# Altium PCB oysm_Keyboard.PcbDoc (part 1 of 2) (continued)
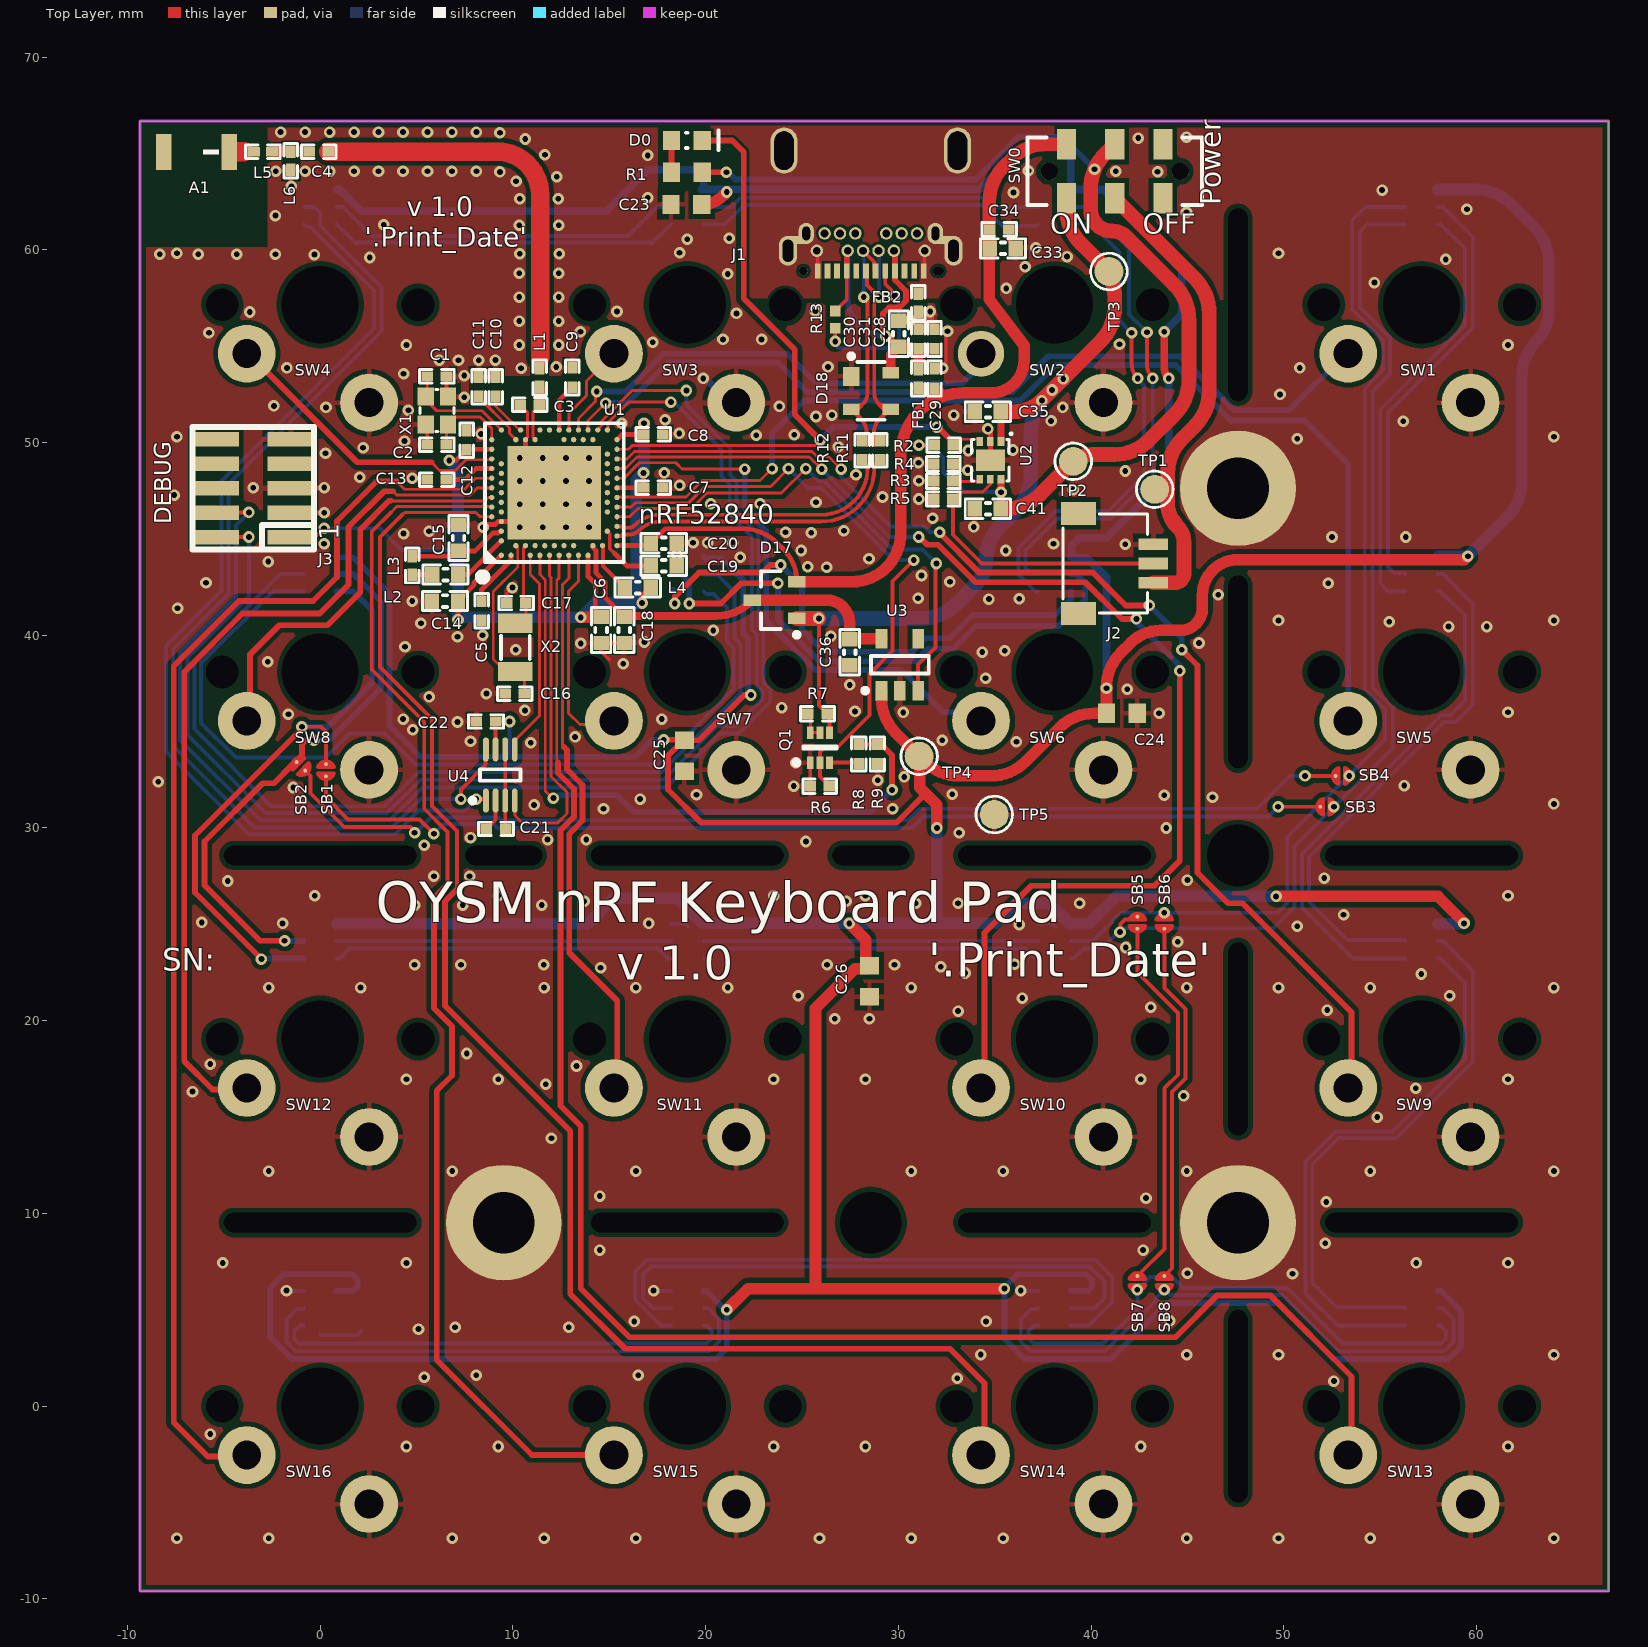
[diagram p0: Top Layer view]
## Footprints (in the part's own frame and the unit in brackets; to place one, negate y for a bottom-side part, rotate by r counter-clockwise, add the part's x,y. Pads: shape width x height; smd on the part's side, far side on the other; paste and mask are expansions set on the pad)
2450AT18B100 [mm] "2450MHz Antenna"
  rect 0.8x1.85 smd: 1(-1.7,0) 2(1.7,0)
  Multi-Layer pour cut-out: -3.71,-4.94 -3.71,4.93 6.09,4.93 6.09,-4.94
  silkscreen extent -1.18,-0.14 -0.34,0.13, body extent -1.7,-0.9 1.7,0.9, height 1.4
APA_RGB_LED_2020 [mm]
  rect 0.8x0.5 smd: 1(-0.85,0.9)
  rrect50% 0.8x0.3 smd: 2(-0.85,0) 5(0.85,0)
  rrect50% 0.8x0.5 smd: 3(-0.85,-0.9) 4(0.85,-0.9) 6(0.85,0.9)
  body extent -1,-1 1,1, height 0.9
AQFN50P700X700X85_HS-74N [mm] "AQFN, 73-Leads, Body 7.00x7.00mm, Pitch 0.50mm, Thermal Pad 4.95x4.95mm, IPC Medium Density"
  rect 4.85x4.85 smd mask+0.05: 74(0,0)
  round 0.275 smd paste+0.012 mask+0.05: A8(-1.25,3.25) A10(-0.75,3.25) A12(-0.25,3.25) A14(0.25,3.25) A16(0.75,3.25) A18(1.25,3.25) A20(1.75,3.25) A22(2.25,3.25) A23(2.75,3.25) AA24(3.25,-2.25) AB2(-2.75,-2.5) AC5(-2,-2.75) AC9(-1,-2.75) AC11(-0.5,-2.75) AC13(0,-2.75) AC15(0.5,-2.75) AC17(1,-2.75) AC19(1.5,-2.75) AC21(2,-2.75) AC24(3.25,-2.75) AD2(-2.75,-3.25) AD4(-2.25,-3.25) AD6(-1.75,-3.25) AD8(-1.25,-3.25) AD10(-0.75,-3.25) AD12(-0.25,-3.25) AD14(0.25,-3.25) AD16(0.75,-3.25) AD18(1.25,-3.25) AD20(1.75,-3.25) AD22(2.25,-3.25) AD23(2.75,-3.25) B1(-3.25,2.75) B3(-2.5,2.75) B5(-2,2.75) B7(-1.5,2.75) B9(-1,2.75) B11(-0.5,2.75) B13(0,2.75) B15(0.5,2.75) B17(1,2.75) B19(1.5,2.75) B24(3.25,2.75) C1(-3.25,2.25) D2(-2.75,2) D23(2.75,2) E24(3.25,1.75) F2(-2.75,1.5) F23(2.75,1.5) G1(-3.25,1.25) H2(-2.75,1) H23(2.75,1) J1(-3.25,0.75) J24(3.25,0.75) K2(-2.75,0.5) L1(-3.25,0.25) L24(3.25,0.25) M2(-2.75,0) N1(-3.25,-0.25) N24(3.25,-0.25) P2(-2.75,-0.5) P23(2.75,-0.5) R1(-3.25,-0.75) R24(3.25,-0.75) T2(-2.75,-1) T23(2.75,-1) U1(-3.25,-1.25) U24(3.25,-1.25) V23(2.75,-1.5) W1(-3.25,-1.75) W24(3.25,-1.75) Y2(-2.75,-2) Y23(2.75,-2)
  silkscreen extent -4.57,-3.6 3.6,3.92, body extent -3.55,-3.55 3.55,3.55, height 0.85
BT-XTAL_2016 [mm] "Crystal 2.0 x 1.6 mm"
  rect 0.95x0.85 smd: 1(-0.725,-0.575) 2(0.725,-0.575) 3(0.725,0.575) 4(-0.725,0.575)
  silkscreen extent -1.08,-0.88 1.08,0.88, body extent -1.05,-0.85 1.05,0.85, height 0.56
CAPC0603(1608)55_N [mm] "Chip Capacitor, Body 1.6x0.8mm, Height 0.55mm, IPC Medium Density"
  rect 0.9x1 smd: 1(-0.8,0) 2(0.8,0)
  body extent -0.87,-0.48 0.88,0.47, height 0.55
CAPC1005X04L [mm] "Chip Capacitor, 2-Leads, Body 1.0x0.5mm, IPC High Density"
  rect 0.6x0.5 smd: 1(-0.5,0) 2(0.5,0)
  silkscreen extent -0.9,-0.35 0.9,0.35, body extent -0.51,-0.25 0.51,0.25, height 0.5
CAPC1608X06L [mm] "Chip Capacitor, 2-Leads, Body 1.6x0.8mm, IPC High Density"
  rect 0.75x0.8 smd: 1(-0.675,0) 2(0.675,0)
  silkscreen extent -1.17,-0.5 1.17,0.5, body extent -0.8,-0.43 0.8,0.43, height 0.8
HDR_2x5-SMD-1.27mm-K [mm] "SMT MICRO HEADER, (1,27) .050\" Keying Shroud"
  rect 0.76x2.4 smd: 1(-2.54,-1.95) 2(-2.54,1.95) 3(-1.27,-1.95) 4(-1.27,1.95) 5(0,-1.95) 6(0,1.95) 7(1.27,-1.95) 8(1.27,1.95) 9(2.54,-1.95) 10(2.54,1.95)
  silkscreen extent -3.18,-3.15 3.18,3.15, body extent -3.14,-2.92 3.14,2.92, height 6.11
I_LEDC0603(1608)_N [mm] "Chip Resistor, Body 1.6x0.8mm, IPC Medium Density"
  rect 0.9x1 smd: 1(-0.8,0) 2(0.8,0)
  silkscreen extent -0.05,-0.51 1.65,0.51, body extent -0.85,-0.45 0.85,0.45, height 0.9
INDC1005X04L [mm] "Chip Inductor, 2-Leads, Body 1.0x0.5mm, IPC High Density"
  rect 0.65x0.5 smd: 1(-0.475,0) 2(0.475,0)
  silkscreen extent -0.9,-0.35 0.9,0.35, body extent -0.5,-0.3 0.5,0.3, height 0.5
INDC1608X06L [mm] "Chip Inductor, 2-Leads, Body 1.6x0.8mm, IPC High Density"
  rect 0.75x0.8 smd: 1(-0.675,0) 2(0.675,0)
  silkscreen extent -1.17,-0.5 1.17,0.5, body extent -0.8,-0.48 0.8,0.47, height 0.8
Kailh_Mechanical_Key#1 [mm]
  round 3 hole 1.5: 1(-3.81,2.54) 2(2.54,5.08)
  round 0 hole 1.7 unplated: 9(-5.08,0) 9(5.08,0)
  round 0 hole 4 unplated: 9(0,0)
  body extent -7.8,-7.8 7.8,7.8, height 15.4
Kailh_Mechanical_Key#2 [mm]
  round 2.4 hole 1.5: 1(-3.81,2.54)
  round 3 hole 1.5: 2(2.54,5.08)
  round 0 hole 1.7 unplated: 9(-5.08,0) 9(5.08,0)
  round 0 hole 4 unplated: 9(0,0)
  body extent -7.8,-7.8 7.8,7.8, height 15.4
RESC0402(1005)_L [mm] "Chip Resistor, 2-Leads, Body 1,00x0,50mm, IPC Medium Density"
  rect 0.55x0.55 smd: 1(-0.45,0) 2(0.45,0)
  body extent -0.53,-0.27 0.53,0.28, height 0.37
RESC0603(1608)_N [mm] "Chip Resistor, Body 1.6x0.8mm, IPC Medium Density"
  rect 0.9x1 smd: 1(-0.8,0) 2(0.8,0)
  body extent -0.85,-0.47 0.85,0.47, height 0.6
RESC1005X04L [mm] "Chip Resistor, 2-Leads, Body 1.0x0.5mm, IPC High Density"
  rect 0.6x0.55 smd: 1(-0.5,0) 2(0.5,0)
  silkscreen extent -0.87,-0.38 0.88,0.38, body extent -0.5,-0.25 0.5,0.25, height 0.3
SM03B-SRSS-TB [mm] "JST, SH connector, side entry SMD, 1mm pitch"
  rect 1.2x1.8 smd: 0(-2.6,-3.875) 0(2.6,-3.875)
  rect 0.6x1.55 smd: 1(-1,0) 2(0,0) 3(1,0)
  silkscreen extent -2.57,-4.68 2.58,-0.3, body extent -2.5,-4.61 2.5,0.34, height 2.95
Solderbridge#1 [mm]
  round 0.2 smd paste-10: 1(-0.312,0) 2(0.312,0)
  Top Layer region: 0.077,0.432 0.152,0.505 0.271,0.467 0.335,0.424 0.409,0.351 0.462,0.292 0.521,0.193 0.549,0.099 0.544,-0.122 0.518,-0.193 0.434,-0.33 0.351,-0.411 0.259,-0.469 0.157,-0.5 0.107,-0.483 0.077,-0.43
  Top Layer region: -0.077,-0.432 -0.152,-0.505 -0.271,-0.467 -0.335,-0.424 -0.409,-0.351 -0.462,-0.292 -0.521,-0.193 -0.549,-0.099 -0.544,0.122 -0.518,0.193 -0.434,0.33 -0.351,0.411 -0.259,0.469 -0.157,0.5 -0.107,0.483 -0.077,0.43
  Top Layer lines w0.152: -0.153,0.431 ccw(c-0.042,0) -0.487,0 ccw(c-0.042,0) -0.153,-0.431 ; 0.153,0.431 cw(c0.042,0) 0.487,0 cw(c0.042,0) 0.153,-0.431
Solderbridge#2 [mm]
  round 0.2 smd paste-10: 1(-0.312,0) 2(0.312,0)
  Top Layer region: 0.077,0.432 0.152,0.505 0.271,0.467 0.335,0.424 0.409,0.351 0.462,0.292 0.521,0.193 0.549,0.099 0.544,-0.122 0.518,-0.193 0.434,-0.33 0.351,-0.411 0.259,-0.469 0.157,-0.5 0.107,-0.483 0.077,-0.43
  Top Layer region: -0.077,-0.432 -0.152,-0.505 -0.271,-0.467 -0.335,-0.424 -0.409,-0.351 -0.462,-0.292 -0.521,-0.193 -0.549,-0.099 -0.544,0.122 -0.518,0.193 -0.434,0.33 -0.351,0.411 -0.259,0.469 -0.157,0.5 -0.107,0.483 -0.077,0.43
  Top Layer lines w0.152: 0.153,0.431 cw(c0.042,0) 0.371,0.299 cw(c0.042,0) 0.371,-0.299 cw(c0.042,0) 0.153,-0.431 ; -0.153,0.431 ccw(c-0.042,0) -0.487,0 ccw(c-0.042,0) -0.153,-0.431
Solderbridge#3 [mm]
  round 0.2 smd paste-10: 1(-0.312,0) 2(0.312,0)
  Top Layer region: 0.077,0.432 0.152,0.505 0.271,0.467 0.335,0.424 0.409,0.351 0.462,0.292 0.521,0.193 0.549,0.099 0.544,-0.122 0.518,-0.193 0.434,-0.33 0.351,-0.411 0.259,-0.469 0.157,-0.5 0.107,-0.483 0.077,-0.43
  Top Layer region: -0.077,-0.432 -0.152,-0.505 -0.271,-0.467 -0.335,-0.424 -0.409,-0.351 -0.462,-0.292 -0.521,-0.193 -0.549,-0.099 -0.544,0.122 -0.518,0.193 -0.434,0.33 -0.351,0.411 -0.259,0.469 -0.157,0.5 -0.107,0.483 -0.077,0.43
  Top Layer lines w0.152: 0.153,0.431 cw(c0.042,0) 0.487,0 cw(c0.042,0) 0.153,-0.431 ; -0.153,0.431 ccw(c-0.042,0) -0.153,-0.431
SOT95P230X110-3N [mm] "SOT23, 3-Leads, Body 2,90x2,30mm, Pitch 0,95mm, IPC Medium Density"
  rect 0.9x0.6 smd: 1(-1.15,0.95) 2(-1.15,-0.95) 3(1.15,0)
  silkscreen extent -1.28,-1.5 0.7,1.92, body extent -1.3,-1.5 1.3,1.5, height 1.1
SOT95P280X140-5N [mm] "SOT23, 5-Leads, Body 2,90x2,80mm, Pitch 0,95mm, IPC Medium Density"
  rect 1x0.6 smd: 1(-1.35,0.95) 2(-1.35,0) 3(-1.35,-0.95) 4(1.35,-0.95) 5(1.35,0.95)
  silkscreen extent -1.47,-1.5 0.45,1.92, body extent -1.5,-1.55 1.5,1.55, height 1.4
SOT190P230X110-4L [mm] "SOT143, 4-Leads, Body 3.0x2.5mm (max), Pitch 1.90mm, IPC High Density"
  rect 0.85x1 smd: 1(-1.025,0.75)
  rect 0.85x0.6 smd: 2(-1.025,-0.95) 3(1.025,-0.95) 4(1.025,0.95)
  silkscreen extent -1.15,-1.5 0.7,1.92, body extent -1.21,-1.46 1.21,1.46, height 1
SOTFL50P162X60-6N [mm] "SOTFL, 6-Leads, Body 1.60x1.63mm, Pitch 0.50mm, IPC Medium Density"
  rect 0.65x0.35 smd: 1(-0.775,0.5) 2(-0.775,0) 3(-0.775,-0.5) 4(0.775,-0.5) 5(0.775,0) 6(0.775,0.5)
  silkscreen extent -0.9,-0.85 0.05,1.35, body extent -0.81,-0.85 0.81,0.85, height 0.6
Switch-Slide-RA-J-Lead-DPDT-8.5x3.5mm [mm] "Slide Switches - DPDT, SMD, ON-ON"
  round 0.9 hole 0.9 unplated: 0(-3.4,0) 0(3.4,0)
  rect 1x1.6 smd: 1(-2.5,-1.4) 2(0,-1.4) 3(2.5,-1.4) 4(-2.5,1.4) 5(0,1.4) 6(2.5,1.4)
  silkscreen extent -4.5,-1.75 -4.5,1.75, body extent -4.25,-3.75 4.25,1.75, height 3.5
TP_SMD_Ø1.5mm [mm]
  round 1.5 smd paste-5: 1(0,0)
  silkscreen extent -0.95,-0.95 0.95,0.95
TSSOP50P310X90-8N [mm] "TSSOP, 8-Leads, Body 2,1x2,4mm (max), Pitch 0,50mm, IPC Medium Density"
  oval 1.25x0.3 smd: 1(-1.325,0.75) 2(-1.325,0.25) 3(-1.325,-0.25) 4(-1.325,-0.75) 5(1.325,-0.75) 6(1.325,-0.25) 7(1.325,0.25) 8(1.325,0.75)
  silkscreen extent -1.45,-1.05 0.3,1.57, body extent -1.55,-1.05 1.55,1.05, height 0.8
USB_TYPE_C_JST [mm]
  oval 0.95x1.55 hole 0.55 slot 1.15 at 90 deg: 0(-7.795,-1.05) ""(0.795,-1.05)
  oval 1.4x0.42 all layers, no hole: 0(-7.36,-1.61) 0(0.36,-1.61)
  oval 0.8x1.1 hole 0.4 slot 0.7 at 90 deg: 0(-6.85,-1.95) ""(-0.15,-1.95)
  rect 0.3x0.8 smd: 1(-6.25,0) 2(-5.75,0) 3(-5.25,0) 4(-4.75,0) 5(-4.25,0) 6(-3.75,0) 7(-3.25,0) 8(-2.75,0) 9(-2.25,0) 10(-1.75,0) 11(-1.25,0) 12(-0.75,0)
  round 0.65 hole 0.4: 13(-0.7,-1.05) 14(-1.1,-1.95) 15(-1.9,-1.95) 16(-2.3,-1.05) 17(-2.7,-1.95) 18(-3.1,-1.05) 19(-3.9,-1.05) 20(-4.3,-1.95) 21(-4.7,-1.05) 22(-5.1,-1.95) 23(-5.9,-1.95) 24(-6.3,-1.05)
  oval 1.4x2.4 hole 1 slot 2 at 90 deg: ""(-8,-6.25) ""(1,-6.25)
  oval 0.55x0.45 hole 0.45 slot 0.55 at 0 deg: ""(-7,0)
  round 0.45 hole 0.45: ""(0,0)
  body extent -8.39,-8.36 1.29,0.44, height 3.46
USP-6EL [mm] "DFN, 6-Leads, Body 2.00x1.80mm, Pitch 0.55mm, Thermal Pad 1.10x1.50mm, IPC Medium Density"
  rect 0.45x0.35 smd paste-0.05: 1(-0.975,0.55) 2(-0.975,0) 3(-0.975,-0.55) 4(0.975,-0.55) 5(0.975,0) 6(0.975,0.55)
  rect 1.1x1.5 smd paste-2: 7(0,0)
  silkscreen extent -1.42,-0.97 1.07,1.13, body extent -0.92,-1.02 0.93,1.03, height 0.4
XTAL_3215 [mm] "XTAL SMD 3.2 x 1.5 mm"
  rect 1x1.8 smd: 1(-1.25,0) 2(1.25,0)
  silkscreen extent -0.6,-0.75 0.6,0.75, body extent -1.6,-0.75 1.6,0.75, height 0.81

## Part data
A1: library part "Johanson 2450AT18B100", "2.45 GHz chip antenna", Manufacturer="Johanson Technology", Part number IPS=00000007781, Supplier Part Number 1=712-1006-1-ND, Artikkelnr Noca=N.A., ComponentLink1Description=Datasheet, ComponentLink2Description="Supplier link", Footprint Doc=2450AT18B100, HelpURL=http://www.johansontechnology.com/datasheets/antennas/2450AT18B100.pdf, LatestRevisionDate=2013-09-13, Manufacturer Part Number=2450AT18B100, Part Number="Johanson 2450AT18B100", Pin Count=2, Published=2013-09-13, Publisher="Nordic Semiconductor", Supplier 1=Digi-Key
C1 C2 C16 C17: library part C0402-12p, "Capacitor, NP0, ±2%", Part number IPS=00000002398, Artikkelnr Noca=20029159, Artikkelnr Simpro=N.A., Footprint Doc=0402, LatestRevisionDate=2011-05-11, Note=50V, Part Number=C0402-12p, Pin Count=2, Published=2009-05-08, Publisher="Nordic Semiconductor"
C3: library part C0402-0.8p, "Capacitor, NP0, ±5%", Artikkelnr Noca=20029147, Artikkelnr Simpro=N.A., Footprint Doc=0402, LatestRevisionDate=2012-11-21, Note=50V, Part Number=C0402-0.8p, Pin Count=2, Published=2009-05-08, Publisher="Nordic Semiconductor"
C4: library part C0402-2.2p, "Capacitor, NP0, ±0.1pF", Part number IPS=00000003105, Supplier Part Number 1=490-8092-1-ND, Artikkelnr Noca=20029145, ComponentLink1Description=Datasheet, ComponentLink2Description="Supplier link", Footprint Doc=0402, LatestRevisionDate=2017-02-23, Note=50V, Part Number=C0402-2.2p, Pin Count=2, Published=2009-05-08, Publisher="Nordic Semiconductor", Supplier 1=Digi-Key
C5 C7 C8 C12 C21 C22 C29 C31 C34: library part C0402-100n, "Capacitor, X7R, ±10%", Part number IPS=00000005296, Artikkelnr Noca=20039200, Footprint Doc=0402, LatestRevisionDate=2009-11-23, Note=16V, Part Number=C0402-100n, Pin Count=2, Published=2009-05-08, Publisher="Nordic Semiconductor"
  C5 C7 C8 C12 C21 C22 C29 C31: Artikkelnr Simpro=N.A.
  C34: ComponentLink1Description=Datasheet, ComponentLink2Description="Supplier link"
C6: library part C0603-4µ7-6.3V-X7R, "Capacitor, X7R, ±10%, 6.3V", Manufacturer=Samsung, Manufacturer Part Number=CL10B475KQ8NQNC, Supplier part number=1276-2087-1-ND, Artikkelnr Noca=20039473, Artikkelnr Simpro=N.A., Datasheet=http://media.digikey.com/pdf/Data%20Sheets/Samsung%20PDFs/CL10B475KQ8NQNC_Spec.pdf, Footprint Doc=0603, LatestRevisionDate=2015-06-10, Note=6.3V, Part Number=C0603-4µ7-6.3V-X7R, Pin Count=2, Published=2015-06-10, Publisher="Nordic Semiconductor", Supplier=Digi-Key
C9 C10 C13: library part C0402-N.C., "Not mounted", Artikkelnr Noca=N.A., Artikkelnr Simpro=N.A., Assembly="Not mounted", Footprint Doc=0402, LatestRevisionDate=2009-05-08, Note="Chip Cap", Part Number=C0402-N.C., Pin Count=2, Published=2009-05-08, Publisher="Nordic Semiconductor"
C11: library part C0402-100p, "Capacitor, NP0, ±5%", Part number IPS=00000002361, Artikkelnr Noca=20029135, Artikkelnr Simpro=N.A., Footprint Doc=0402, LatestRevisionDate=2009-05-08, Note=50V, Part Number=C0402-100p, Pin Count=2, Published=2009-05-08, Publisher="Nordic Semiconductor"
C14 C15 C35 C41: library part C0603-1µ0, "Capacitor, X7R, ±10%", Part number IPS=00000000616, Footprint Doc=0603, LatestRevisionDate=2013-06-05, Note=16V, Part Number=C0603-1µ0, Pin Count=2, Published=2009-05-08, Publisher="Nordic Semiconductor"
  C14 C15: Artikkelnr Noca=20039335, Artikkelnr Simpro=N.A.
  C35 C41: Artikkelnr Noca=20039282, ComponentLink1Description=Datasheet, ComponentLink2Description="Supplier link"
C18 C19 C20: library part C0603-4µ7, "Capacitor, X5R, ±10%", Artikkelnr Noca=20069060, Artikkelnr Simpro=N.A., Footprint Doc=0603, LatestRevisionDate=2009-11-23, Note=6.3V, Part Number=C0603-4µ7, Pin Count=2, Published=2009-05-08, Publisher="Nordic Semiconductor"
C23 C24 C25 C26: library part 5152, "X7R 50V 5%", antall=1000, dybde=0, hylle=0, id=5152, komponenttype=2, lager_type=Baklager, leverandor=Farnell, leverandor_varenr=1759122, navn=100nF, nokkelord="Kondensator, Capacitor, CAP", pakke_opprettet="18.02.2015 14:18:13", pakke_opprettet_av=815, pakketype=0603, pris=1, produsent=Multikomp, rad=21, rom=OV, symbol_opprettet="14.11.2014 20:19:34", symbol_opprettet_av=815
C28: library part C0402-10n, "Capacitor, X7R, ±10%", Part number IPS=00000002386, Artikkelnr Noca=20039166, Artikkelnr Simpro=N.A., Footprint Doc=0402, LatestRevisionDate=2009-11-23, Note=16V, Part Number=C0402-10n, Pin Count=2, Published=2009-05-08, Publisher="Nordic Semiconductor"
C30: library part C0603-10µ, "Capacitor, X5R, ±20%", Part number IPS=00000003029, Artikkelnr Noca=20039234, Artikkelnr Simpro=N.A., Footprint Doc=0603, LatestRevisionDate=2011-01-17, Note=6.3V, Part Number=C0603-10µ, Pin Count=2, Published=2011-01-17, Publisher="Nordic Semiconductor"
C33 C36: library part C0603-10µ, "Capacitor, X5R, ±20%", Part number IPS=00000007785, Artikkelnr Noca=20039234, ComponentLink1Description=Datasheet, ComponentLink2Description="Supplier link", Footprint Doc=0603, LatestRevisionDate=2011-01-17, Note=6.3V, Part Number=C0603-10µ, Pin Count=2, Published=2011-01-17, Publisher="Nordic Semiconductor"
D0: library part 5143, "SMD", antall=50, dybde=2, hylle=6, id=5143, komponenttype=9, lager_type=Fremlager, leverandor=Farnell, leverandor_varenr=8554641, navn="SMD LED Red", nokkelord=SMD, pakke_opprettet="06/07/2014 18:55:44", pakke_opprettet_av=815, pakketype=0603, pris=1, produsent=Avago, rad=0, rom=OV, symbol_opprettet="06/07/2014 18:59:47", symbol_opprettet_av=815
D1 D2 D3 D4 D5 D6 D7 D8 D9 D10 D11 D12 D13 D14 D15 D16: library part 5672, "2x2mm SMD RGB Addresserbar LED", AdaFruit=3341, DigiKey=1528-2392-ND, id=5672, komponenttype=9, leverandor=DigiKey, leverandor_varenr=1528-2392-ND, navn="APA102 2020", nokkelord="Adafruit: 3341", pakke_opprettet="08.02.2020 14:20:14", pakke_opprettet_av=815, pakketype=SMD, pris=0, produsent=Kina, symbol_opprettet="08.02.2020 14:20:38", symbol_opprettet_av=815
D18: "Ultra low capacitance double rail-to-rail ESD protection diode", 2nd source part number=152-4157, Manufacturer=NXP, Supplier part number=568-4140-1-ND, 2nd source Supplier=Farnell, Artikkelnr Noca=10069015, Artikkelnr Simpro=N.A., Datasheet=http://www.farnell.com/datasheets/109718.pdf, Footprint Doc=SOT-143B, LatestRevisionDate=2012-06-11, Manufacturer Part Number=PRTR5V0U2X, Part Number=PRTR5V0U2X, Published=2012-06-11, Publisher="Nordic Semiconductor", Supplier=Digi-Key
FB1 FB2: library part FB0402-120R@100M-500mA, "Ferrite Bead, 120 Ohm @ 100MHz, 500mA, 250 mOhm Max", 2nd source part number=151-5760, Manufacturer=Murata, Manufacturer Part Number=BLM15AG121SN1D, Supplier part number=490-1005-1-ND, 2nd source Supplier=Farnell, Artikkelnr Noca=33029317, Artikkelnr Simpro=N.A., Datasheet=http://search.murata.co.jp/Ceramy/image/img/PDF/ENG/L0110S0100BLM15A_SN.pdf, Footprint Doc=0402, LatestRevisionDate=2014-01-10, Note="Chip EMIFIL Inductor Type Chip Ferrite Bead", Part Number=FB0402-120R@100M-500mA, Pin Count=2, Published=2011-11-14, Publisher="Nordic Semiconductor", Supplier=Digi-Key
J1: library part 5676, "TH and SMD", id=5676, komponenttype=11, leverandor=Farnell, leverandor_varenr=2578451, navn="USB C connector", nokkelord="usb c solder", pakke_opprettet="08.02.2020 21:56:58", pakke_opprettet_av=1855, pris=20, produsent="JST (JAPAN SOLDERLESS TERMINALS)", symbol_opprettet="08.02.2020 21:55:28", symbol_opprettet_av=1855
J2: library part SM03B-SRSS-TB, "1.0mm pitch connector side entry SMD", Manufacturer=JST, Manufacturer Part Number=SM03B-SRSS-TB(LF)(SN), Part number IPS=00000001785, Supplier Part Number 1=455-1803-1-ND, Artikkelnr Noca=N.A., ComponentLink1Description=Datasheet, ComponentLink2Description="Supplier link", Footprint Doc=SM03B-SRSS-TB, HelpURL=http://www.jst-mfg.com/product/pdf/eng/eSH.pdf, LatestRevisionDate=2017-10-09, Note="JST, Header", Part Number=SM03B-SRSS-TB, Pin Count=3, Published=2017-10-09, Publisher="Nordic Semiconductor", Supplier 1=Digi-Key
J3: library part "Pin Header 2x5 SMD, 1.27mm, KS", "Pin Header 2x5, 1.27mm (50mil), SMD, Keying Shroud", 2nd source part number=FTSH-105-01-F-DV-K, Manufacturer=W-CON, Manufacturer Part Number=3132-10MS0BK00R1, 2nd source Supplier=Samtec, Artikkelnr Noca=55010009, Artikkelnr Simpro=N.A., Datasheet=\\hizz\pro\app9717\Datasheet\connectores\W-CON\3132-XXMXXBK00XX.pdf, Footprint Doc=HDR_2x5-SMD-1.27mm, LatestRevisionDate=2016-04-21, Part Number="Pin Header 2x5 SMD, 1.27mm, KS", Pin Count=10, Published=2016-01-22, Publisher="Nordic Semiconductor", Supplier=Cabcon, Supplier part number=3132-10MS0BK00R1
L1: library part L0402-3n3, "Inductor, 190mA, ±0.1nH", Manufacturer=Murata, Manufacturer Part Number=LQP15MN3N3B02D, Supplier part number=490-1130-1-ND, Artikkelnr Noca=33029369, Artikkelnr Simpro=N.A., Datasheet=http://search.murata.co.jp/Ceramy/image/img/PDF/ENG/L0075S0084LQP15M.pdf, Footprint Doc=0402, LatestRevisionDate=2012-09-19, Note="High frequency chip inductor ±5%", Part Number=L0402-3n3, Pin Count=2, Published=2009-05-08, Publisher="Nordic Semiconductor", Supplier=Digi-Key
L2 L4: library part L0603-10µ, "Inductor, 80mA, ±10%", 2nd source part number=178-6105, Manufacturer="Taiyo Yuden", Manufacturer Part Number=LBMF1608T100K, Supplier part number=587-1714-1-ND, 2nd source Supplier=Farnell, Artikkelnr Noca=33029314, Artikkelnr Simpro=N.A., Datasheet=http://www.yuden.co.jp/ut/product/pdf/elb2_e.pdf, Footprint Doc=0603, LatestRevisionDate=2012-09-19, Note="LBMF1608T100K 10µH 80mA 0603", Part Number=L0603-10µ, Pin Count=2, Published=2010-02-24, Publisher="Nordic Semiconductor", Supplier=Digi-Key
L3: library part L0402-15n, "Inductor, 320mA, ±5%", 2nd source part number=658-1328, Manufacturer="Taiyo Yuden", Manufacturer Part Number=HK100515NJ-T, Supplier part number=587-1521-1-ND, 2nd source Supplier=Farnell, Artikkelnr Noca=33029323, Artikkelnr Simpro=N.A., Datasheet=http://www.yuden.co.jp/productdata/catalog/en/mlci04_e.pdf, Footprint Doc=0402, LatestRevisionDate=2012-09-19, Note="High frequency chip inductor ±10%", Part Number=L0402-15n, Pin Count=2, Published=2010-07-12, Publisher="Nordic Semiconductor", Supplier=Digi-Key
L5: library part L0402-3n9, "Inductor, 170mA, ±0.1nH", Manufacturer=Murata, Manufacturer Part Number=LQP15MN3N9B02D, Part number IPS=00000007793, Supplier Part Number 1=490-1131-1-ND, Artikkelnr Noca=33029151, ComponentLink1Description=Datasheet, ComponentLink2Description="Supplier link", Footprint Doc=0402, HelpURL=http://search.murata.co.jp/Ceramy/image/img/PDF/ENG/L0075S0084LQP15M.pdf, LatestRevisionDate=2012-09-19, Note="High frequency chip inductor ±5%", Part Number=L0402-3n9, Pin Count=2, Published=2009-05-08, Publisher="Nordic Semiconductor", Supplier 1=Digi-Key
L6: library part L0402-N.C., "Not mounted", Part number IPS=N.A., Artikkelnr Noca=N.A., Assembly="Not mounted", ComponentLink1Description=Datasheet, ComponentLink2Description="Supplier link", Footprint Doc=0402, LatestRevisionDate=2016-11-24, Part Number=L0402-N.C., Pin Count=2, Published=2016-11-24, Publisher="Nordic Semiconductor"
Q1: "Dual N & P Ch MOFET, 1.03A/0.7A, 480mOhm, 450mW", Manufacturer="Diodes Incorporated", Part number IPS=00000007803, Supplier Part Number 1=DMC2400UV-7DICT-ND, Artikkelnr Noca=N.A., ComponentLink1Description=Datasheet, ComponentLink2Description="Supplier link", Footprint Doc=SOT-563, HelpURL=http://www.diodes.com/_files/datasheets/DMC2400UV.pdf, LatestRevisionDate=2016-01-18, Manufacturer Part Number=DMC2400UV, Note="Dual N & P Channel Digital FET", Part Number=DMC2400UV, Pin Count=6, Published=2016-01-18, Publisher="Nordic Semiconductor", Supplier 1=Digi-Key
R1: library part 5389, "0.1W 1% Thick film resistor", antall=100, dybde=48, hylle=2, id=5389, komponenttype=1, lager_type=Fremlager, navn=1k, pakke_opprettet="08/07/2014 21:15:30", pakke_opprettet_av=815, pakketype=0603, pris=0, rad=-1, rom=OV, symbol_opprettet="08/07/2014 21:16:33", symbol_opprettet_av=815
R2: library part R0402-10k, "Resistor, ±1%, 0.063W", Part number IPS=00000002093, Supplier Part Number 1=173-8864, Artikkelnr Noca=27049097, ComponentLink1Description=Datasheet, ComponentLink2Description="Supplier link", Footprint Doc=0402, LatestRevisionDate=2009-11-23, Note="Chip Res 1%", Part Number=R0402-10k, Pin Count=2, Published=2009-05-08, Publisher="Nordic Semiconductor", Supplier 1=Farnell
R3: library part R0402-27k, "Resistor, ±1%, 0.063W", Part number IPS=00000004188, Supplier Part Number 1=173-8869, Artikkelnr Noca=27049107, ComponentLink1Description=Datasheet, ComponentLink2Description="Supplier link", Footprint Doc=0402, LatestRevisionDate=2009-11-23, Note="Chip Res 1%", Part Number=R0402-27k, Pin Count=2, Published=2009-05-08, Publisher="Nordic Semiconductor", Supplier 1=Farnell
R4: library part R0402-15k, "Resistor, ±1%, 0.063W", Part number IPS=00000002098, Supplier Part Number 1=173-8866, Artikkelnr Noca=27049101, ComponentLink1Description=Datasheet, ComponentLink2Description="Supplier link", Footprint Doc=0402, LatestRevisionDate=2009-11-23, Note="Chip Res 1%", Part Number=R0402-15k, Pin Count=2, Published=2009-05-08, Publisher="Nordic Semiconductor", Supplier 1=Farnell
R5: library part NCP15XH103F03RC, "THERMISTOR 10K OHM NTC 0402 SMD", Manufacturer=Murata, Part number IPS=00000007808, Supplier Part Number 1=490-4801-1-ND, Artikkelnr Noca=N.A., Assembly="Not mounted", ComponentLink1Description=Datasheet, ComponentLink2Description="Supplier link", Footprint Doc=0402, LatestRevisionDate=2015-03-25, Manufacturer Part Number=NCP15XH103F03RC, Note="Chip Res 1%", Part Number=NCP15XH103F03RC, Pin Count=2, Published=2015-03-25, Publisher="Nordic Semiconductor", Supplier 1=Digi-Key, Supplier 2=Farnell, Supplier Part Number 2=245-6121
R6 R7: library part R0402-1M0, "Resistor, ±1%, 0.063W", Part number IPS=00000006807, Artikkelnr Noca=27049145, ComponentLink1Description=Datasheet, ComponentLink2Description="Supplier link", Footprint Doc=0402, LatestRevisionDate=2009-11-23, Note="Chip Res 1%", Part Number=R0402-1M0, Pin Count=2, Published=2009-05-08, Publisher="Nordic Semiconductor"
R8: library part R0402-1M5, "Resistor, ±1%, 0.063W", Part number IPS=00000007809, Artikkelnr Noca=27049149, ComponentLink1Description=Datasheet, ComponentLink2Description="Supplier link", Footprint Doc=0402, LatestRevisionDate=2009-11-23, Note="Chip Res 1%", Part Number=R0402-1M5, Pin Count=2, Published=2009-05-08, Publisher="Nordic Semiconductor"
R9: library part R0402-180k, "Resistor, ±1%, 0.063W", Part number IPS=00000007810, Artikkelnr Noca=27049127, ComponentLink1Description=Datasheet, ComponentLink2Description="Supplier link", Footprint Doc=0402, LatestRevisionDate=2009-11-23, Note="Chip Res 1%", Part Number=R0402-180k, Pin Count=2, Published=2009-05-08, Publisher="Nordic Semiconductor"
R11 R12: library part R0402-39R, "Resistor, ±1%, 0.063W", Part number IPS=00000000821, Supplier part number=173-8831, Value Ohm=39, Artikkelnr Noca=27049039, Artikkelnr Simpro=N.A., Footprint Doc=0402, LatestRevisionDate=2009-11-23, Note="Chip Res 1%", Part Number=R0402-39R, Pin Count=2, Published=2009-05-08, Publisher="Nordic Semiconductor", Supplier=Farnell
R13: library part 5677, "0.1W 1% Thick film resistor", id=5677, komponenttype=1, navn=56k, pakke_opprettet="12.05.2019 22:25:28", pakke_opprettet_av=1855, pakketype=0402, pris=0, symbol_opprettet="08.07.2014 21:16:33", symbol_opprettet_av=815
SB1 SB2 SB3 SB4 SB5 SB6 SB7 SB8: Part number IPS=N.A., Artikkelnr Noca=N.A., ComponentLink1Description=Datasheet, ComponentLink2Description="Supplier link", Footprint Doc=Solderbridge, LatestRevisionDate=2009-12-14, Part Number=Solderbridge, Pin Count=2, Published=2009-12-14, Publisher="Nordic Semiconductor"
SW0: library part Switch-Slide-RA-J-Lead-DPDT-8.5x3.5mm_C&K, "SMD slide Switch (ON-ON)", Manufacturer="C&K Components", Manufacturer Part Number=JS202011JAQN, Part number IPS=00000007811, Supplier Part Number 1=CKN10722CT-ND, Artikkelnr Noca=N.A., ComponentLink1Description=Datasheet, ComponentLink2Description="Supplier link", Footprint Doc=Switch-Slide-RA-J-Lead-DPDT-8.5x3.5mm, HelpURL=http://www.ck-components.com/media/1422/js.pdf, LatestRevisionDate=2017-02-01, Part Number=Switch-Slide-RA-J-Lead-DPDT-8.5x3.5mm_C&K, Pin Count=6, Published=2016-09-15, Publisher="Nordic Semiconductor", Supplier 1=Digi-Key, Supplier 2=Mouser, Supplier Part Number 2=611-JS202011JAQN
SW1 SW2 SW3 SW4 SW5 SW6 SW7 SW8 SW9 SW10 SW11 SW12 SW13 SW14 SW15 SW16: library part 5669, "Kailh Mechanical keyboard switch", id=5669, komponenttype=12, navn="Kailh SW", nokkelord=button, pakke_opprettet="07/02/2020 14:14:39", pakke_opprettet_av=815, pakketype=TH, pris=0, produsent=Kailh, symbol_opprettet="07/02/2020 14:22:32", symbol_opprettet_av=815
TP1 TP2 TP3 TP4 TP5: library part TP_SMD_Ø1.5MM, "1.0mm circular SMD testpad", Manufacturer="Nordic Semiconductor", Part number IPS=N.A., Artikkelnr Noca=N.A., ComponentLink1Description=Datasheet, ComponentLink2Description="Supplier link", Footprint Doc=TP_SMD_Ø1.5mm, LatestRevisionDate=2016-06-02, Part Number=TP_SMD_Ø1.5MM, Pin Count=1, Published=2016-06-02, Publisher="Nordic Semiconductor"
U1: library part nRF52840-QIAAAA, "Multi-protocol Bluetooth Low Energy, IEEE 802.15.4, ANT and 2.4GHz proprietary system-on-chip", Manufacturer="Nordic Semiconductor", Artikkelnr Noca=15079344, Artikkelnr Simpro=N.A., Footprint Doc=AQFN-73, LatestRevisionDate=2016-11-22, Manufacturer Part Number=nRF52840-QIAAAA, Part Number=nRF52840-QIAAAA, Pin Count=73, Published=2016-06-22, Publisher="Nordic Semiconductor", Supplier="Nordic Semiconductor", Supplier part number=nRF52840-QIAAAA
U2: library part XC6804A4E14R-G, "One Cell Li-ion/Li-polymer Linear Charger IC with Battery Temperature Detection", Manufacturer="Torex Semiconductor", Part number IPS=00000007825, Supplier Part Number 1=893-1312-1-ND, Artikkelnr Noca=N.A., ComponentLink1Description=Datasheet, ComponentLink2Description="Supplier link", Footprint Doc=USP-6EL, HelpURL=https://www.torexsemi.com/file/xc6804/XC6804.pdf, LatestRevisionDate=2016-09-29, Manufacturer Part Number=XC6804A4E14R-G, Part Number=XC6804A4E14R-G, Pin Count=6, Published=2016-09-29, Publisher="Nordic Semiconductor", Supplier 1=Digi-Key, Supplier 2=Mouser, Supplier Part Number 2=865-XC6804A4E14R-G
U3: library part TCK106AF,LF, "1.0 A Load Switch IC with Slew Rate Control Driver in Small Package", Manufacturer=Toshiba, Part number IPS=00000007823, Supplier Part Number 1=TCK106AFLFCT-ND, Artikkelnr Noca=15070086, ComponentLink1Description=Datasheet, ComponentLink2Description="Supplier link", Footprint Doc=SOT-25, HelpURL=https://toshiba.semicon-storage.com/info/docget.jsp?did=53240&prodName=TCK108AF, LatestRevisionDate=2016-09-29, Manufacturer Part Number=TCK106AF,LF, Part Number=TCK106AF,LF, Pin Count=5, Published=2016-09-29, Publisher="Nordic Semiconductor", Supplier 1=Digi-Key
U4: "IC VOLT-LEVEL TRANSLATOR 8-US8", Manufacturer="Texas Instruments", Part number IPS=N.A., Supplier Part Number 1=296-21931-1-ND, Artikkelnr Noca=N.A., ComponentLink1Description=Datasheet, ComponentLink2Description="Supplier link", Footprint Doc=8-VFSOP, HelpURL=http://www.ti.com/lit/ds/symlink/txs0102.pdf, LatestRevisionDate=2012-09-06, Manufacturer Part Number=TXS0102DCUR, Note="TEXAS INSTRUMENTS - TXS0102DCUR - IC, TRANSLATOR", Part Number=TXS0102DCUR, Pin Count=8, Published=2012-09-06, Publisher="Nordic Semiconductor", Supplier 1=Digi-Key, Supplier 2=Farnell, Supplier Part Number 2=170-3315
X1: library part XTAL_SMD2016_32MHz_8pF_Epson, "XTAL SMD 2016, 32MHz, Cl=8pF, Tol: ±10ppm, Stab: ±10ppm", Manufacturer="Epson Toyocom", Manufacturer Part Number=Q22FA12800025, Supplier part number=171-2806, Artikkelnr Noca=22019238, Artikkelnr Simpro=N.A., Datasheet=http://www.epsondevice.com/docs/qd/en/DownloadServlet?id=ID000449, Footprint Doc=XTAL_2016, LatestRevisionDate=2014-11-27, Note="XTAL SMD 32.000MHz", Part Number=XTAL_SMD2016_32MHz_8pF_Epson, Pin Count=4, Published=2012-03-09, Publisher="Nordic Semiconductor", Supplier=Farnell
X2: library part XTAL_SMD3215_32.768kHz_9pF_Kyocera_HT, "XTAL SMD 3215, 32.768kHz, 9pF, ±20ppm, -40°C ~ 125°C", Manufacturer=Kyocera, Manufacturer Part Number=ST3215SB32768E0HSZB1, Supplier part number=1253-1402-1-ND, Artikkelnr Noca=22019249, Artikkelnr Simpro=N.A., Datasheet=http://media.digikey.com/pdf/Data%20Sheets/AVX%20PDFs/ST3215SB_Series.pdf, Footprint Doc=XTAL_3215, LatestRevisionDate=2015-10-15, Note="XTAL SMD 32.768kHz", Part Number=XTAL_SMD3215_32.768kHz_9pF_Kyocera_HT, Pin Count=2, Published=2015-06-10, Publisher="Nordic Semiconductor", Supplier=Digi-Key
D17: DigiKey=1727-5210-1-ND, Part Number=PMEG4005CT

## Free pads (board coordinates)
  round 0 hole 3.2: 0(28.575,9.525) 0(47.625,28.575)
  round 0 hole 1 slot 10 at 0 deg unplated: 2(0,9.525) 2(0,28.575) 2(19.05,9.525) 2(19.05,28.575) 2(38.1,9.525) 2(38.1,28.575) 2(57.15,9.525) 2(57.15,28.575)
  round 0 hole 1 slot 4 at 0 deg unplated: 2(9.525,28.575) 2(28.575,28.575)
  round 0 hole 1 slot 10 at 90 deg unplated: 2(47.625,0) 2(47.625,19.05) 2(47.625,38.1) 2(47.625,57.15)
  round 6 hole 3.2: 666(9.525,9.525) 666(47.625,9.525) 666(47.625,47.625)

## Via types
v1: diameter 0.6, hole 0.3, Top Layer to Bottom Layer, tented both sides, 467 vias

## Nets (pads, with @x,y where several pads share a name; then routed paths per layer and width w, separated by ;. In a path a pad name is that pad's centre, name@x,y a point inside that pad or via, vN(x,y) a via of type N, cw(c..) or ccw(c..) an arc to the next point about the centre after c; other vN are vias at no path point)
ANT: A1.1 L5.2 | length 0.6
  Top Layer w1.016: A1.1@-4.599,65.095 -3.974,65.095
CKI: D1.5 U4.8 | length 54.8
  Top Layer w0.2: v1(7.3,31.5) 7.3,32 8.581,33.281 8.581,34.056 U4.8@8.6,34.075
  Bottom Layer w0.2: D1.5@-0.85,62.23 -0.305,62.23 0,61.925 0,61.25 0.42,60.83 3.175,58.075 3.175,55.775 -4.75,47.85 -4.75,42.175 -7.625,39.3 -7.625,34.25 -3.4,30.025 3.725,30.025 5.2,31.5 v1(7.3,31.5)
D*_N: D18.3 J1.7 J1.19 R11.2 | length 12.6
  Top Layer w0.2: J1.7@28.32,58.9 28.37,58.85 28.37,58.18 v1(29,57.55) ccw(c29,57.3) 28.75,57.3 28.75,52.58 ccw(c29.6,52.58) D18.3@29.531,51.733 ; 28.722,49.875 28.722,50.457 cw(c29.851,50.457) 29.053,51.255 D18.3@29.531,51.733 ; D18.3@29.6,51.73 cw(c29.6,52.58) D18.3@29.531,51.733
  Bottom Layer w0.2: J1.19@28.97,59.95 29,59.92 v1(29,57.55)
D*_P: D18.2 J1.6 J1.18 R12.2 | length 12.3
  Top Layer w0.2: D18.2@27.55,51.73 ccw(c27.55,52.58) D18.2@27.559,51.73 ; D18.2@27.55,51.74 D18.2@27.559,51.73 ; J1.18@28.17,59.95 28.17,59.944 28.62,59.494 28.622,59.494 28.77,59.346 28.77,58.95 J1.6@28.82,58.9 ; v1(28.2,57.55) cw(c28.2,57.35) 28.4,57.35 28.4,52.58 cw(c27.55,52.58) D18.2@27.559,51.73 ; R12.2@28.365,49.875 28.365,50.435 ; 28.365,50.457 ccw(c27.236,50.457) 28.034,51.255 D18.2@27.559,51.73
  Bottom Layer w0.2: J1.18@28.17,59.95 28.2,59.92 v1(28.2,57.55)
D_N: R11.1 U1.AD4 | length 15.7
  Top Layer w0.2: U1.AD4@15.4,45.15 15.62,45.15 15.692,45.222 16.002,45.222 ccw(c16.002,46.021) 16.567,45.456 cw(c17.635,44.387) 17.635,45.898 25.998,45.898 ccw(c25.998,48.65) 28.75,48.65 28.75,48.825 R11.1@29.025,49.1
D_P: R12.1 U1.AD6 | length 15.1
  Top Layer w0.2: U1.AD6@15.4,45.65 15.62,45.65 15.692,45.579 16.002,45.579 ccw(c16.002,46.021) 16.314,45.708 cw(c17.635,44.387) 17.635,46.255 26.005,46.255 ccw(c26.005,48.65) 28.4,48.65 28.4,48.825 R12.1@28.125,49.1
DEC1: C5.1 U1.C1 | length 3
  Top Layer w0.25: C5.1@8.375,41.775 8.375,42.375 9.9,43.9 U1.C1@9.9,44.15
DEC2: C10.2 U1.E24 | length 2.3
  Top Layer w0.15: C10.2@9.1,52.4 9.1,51.892 10.342,50.65 U1.E24@10.4,50.65
DEC3: C11.1 U1.D23 | length 3
  Top Layer w0.15: C11.1@8.225,52.4 8.225,52.35 9.825,50.75 9.825,50.481 10.15,50.156 U1.D23@10.15,50.15
DEC4: C15.2 L3.1 U1.B5 | length 4.8
  Top Layer w0.25: L3.1@4.775,44.1 C15.2@6.9,44.1 ; C15.2@7.175,44.375 8.038,44.375 8.963,45.3 9.224,45.3 9.324,45.4 U1.B5@9.4,45.4